# KiCad board GoldCard.kicad_pcb (continued)
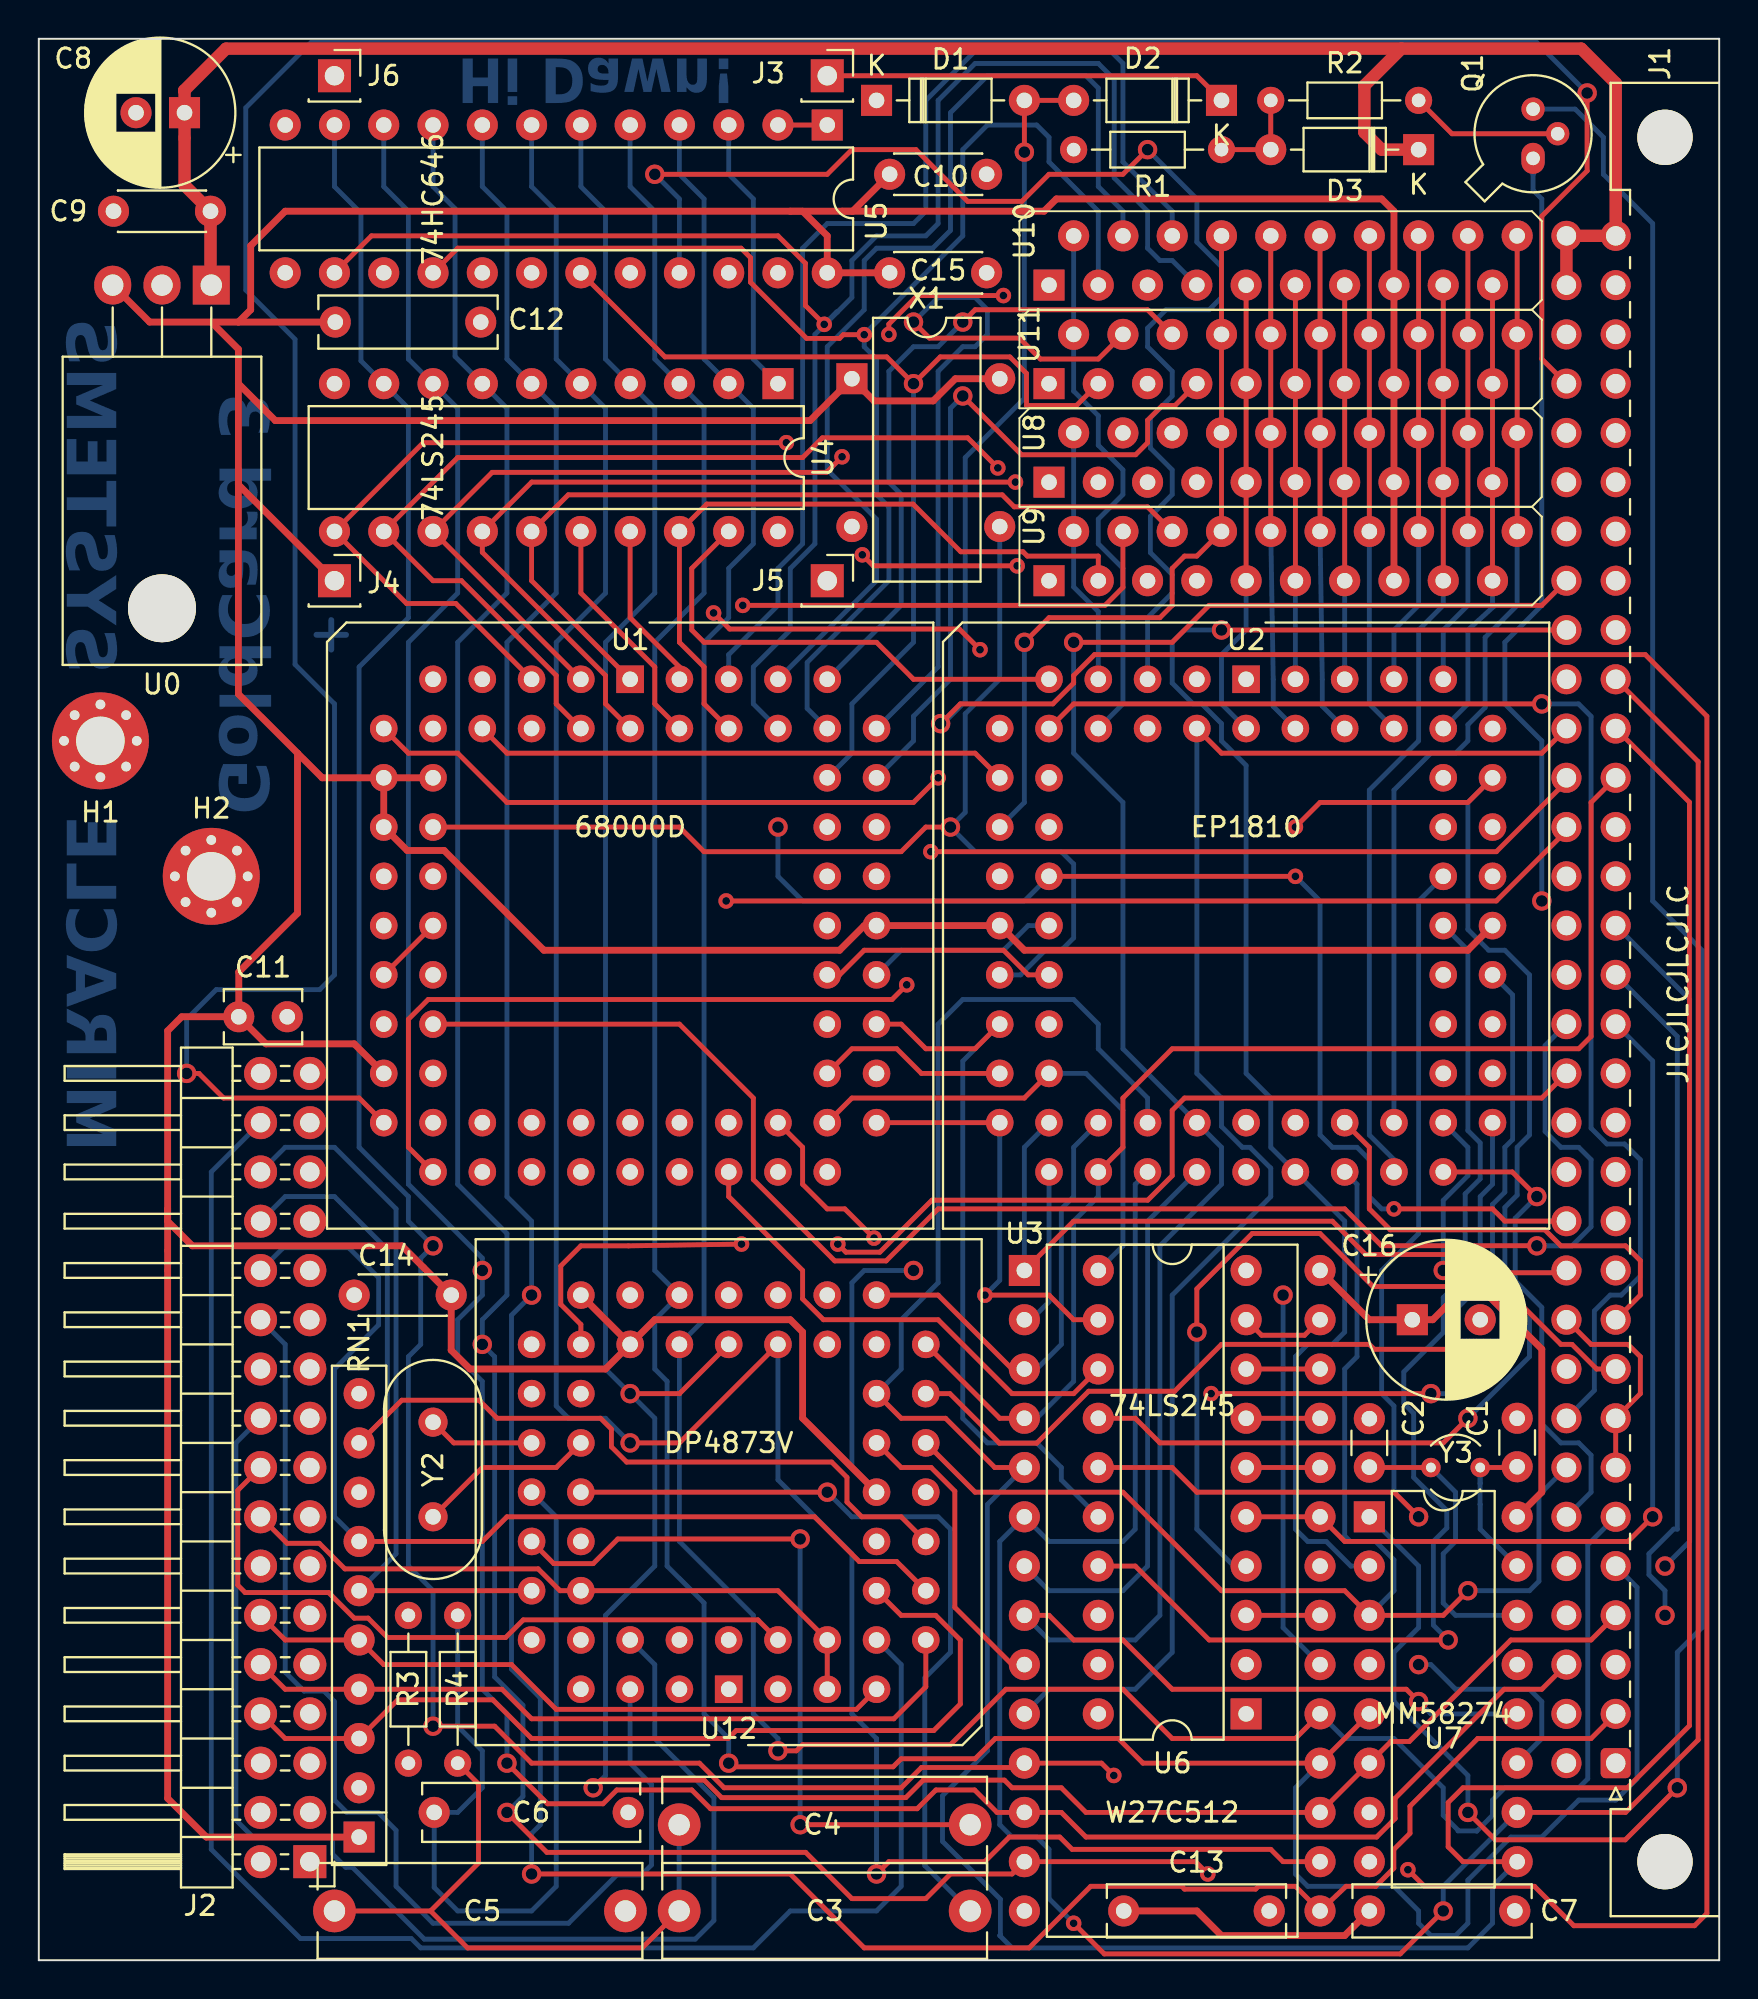
[diagram p0: board, top side]
## Routing (per net, layer and track width the routed paths; a pad name or vN(x,y) marks a point on that pad's centre or on a via; arc(x,y) is an arc through that point)
+5V: length 521.1
  Top w0.25: 72.44,33.61 71.85,33.02
  Top w0.35: 10.29,81.28 10.29,83.06 8.89,84.46 ; 10.29,81.28 10.29,76.84 ; 10.29,81.28 12.19,79.38 39.75,79.38 X1.1 43.05,80.39 46.1,80.39 47.24,81.53 X1.8 ; 10.29,84.46 8.89,84.46 ; 10.29,84.46 C12.1 ; 10.29,84.46 10.92,85.09 10.92,88.39 12.7,90.17 38.74,90.17 ; 8.89,84.46 5.72,84.46 U0.3 ; 38.74,90.17 41.4,90.17 ; 38.74,90.17 39.37,90.17 40.64,88.9 U5.24 C15.1 ; U12.33 U12.32 ; U12.32 29.21,30.48 22.22,30.48 21.26,31.45 C14.1 18.72,36.83 7.91,36.83 6.64,38.1 6.64,38.74 ; U12.32 31.75,33.02 38.74,33.02 39.37,32.39 39.37,27.94 U12.15 ; C7.1 67.31,1.27 60.96,1.27 59.69,2.54 C13.1 ; U7.16 77.47,24.13 77.47,31.51 74.78,34.2 73.03,34.2 ; 73.03,34.2 72.44,33.61 ; 73.03,34.2 71.85,33.02 C16.1 68.58,33.02 U3.28 ; U1.24 16.26,47.24 11.7,47.24 C11.1 ; U9.15 U8.15 U11.15 U10.15 69.85,90.17 69.22,90.81 52.45,90.81 51.82,90.17 41.4,90.17 ; U1.13 U1.12 ; U1.12 14.6,60.96 13.34,62.23 ; U1.12 U1.14 18.99,57.21 20.89,57.21 26.03,52.07 41.28,52.07 42.54,53.34 U1.52 U2.18 50.8,52.07 73.66,52.07 U2.52 ; 13.34,62.23 13.34,53.98 10.31,50.95 C11.1 ; 13.34,62.23 10.29,65.28 10.29,76.84 ; 6.64,38.74 6.64,8.34 8.64,6.35 RN1.1 ; 6.64,38.74 6.64,47.92 7.37,48.64 C11.1 ; 41.4,90.17 41.95,90.17 C10.1 ; 10.29,76.84 10.29,76.07 J4.1
  In1.Cu w0.25: X1.1 41.91,79.13 38.1,75.32 U4.20 ; 56.52,24.13 62.87,24.13 64.13,25.4 64.13,30.99 64.89,31.75 67.94,31.75 69.22,33.02 C16.1 ; 56.52,24.13 57.78,25.4 57.78,27.83 56.4,29.21 49.82,29.21 47.13,31.89 47.13,33.51 v1(45.09,35.56) ; 56.52,24.13 49.53,24.13 49.1,23.7 49.1,14.61 49.74,13.97 53.34,13.97 U6.20 54.61,6.35 55.92,5.04 C13.1
  Bottom w0.25: U12.15 41.91,25.4 41.91,34.93 42.54,35.56 v1(45.09,35.56)
+9V: length 108.5
  Top w0.25: 7.51,93.94 7.51,93.94 C8.1
  Top w0.635: J1.b31 J1.b32 J1.a32 81.28,96.77 79.5,98.55 70.23,98.55 ; 70.23,98.55 68.33,96.65 68.33,94.23 69.22,93.34 D3.1 ; 70.23,98.55 9.65,98.55 7.49,96.39 7.51,96.37 7.51,91.51 C9.1 8.85,86.4
GND: length 36.3
  In2.Cu w0.25: 63.5,46.36 63.5,41.91 U2.35 60.96,41.91 60.96,46.36 ; R1.1 57.15,89.54 U10.5 U11.5 U8.5 U9.5
/16MHZ: length 59.8
  Top w0.25: U1.15 33.02,58.42 34.29,57.15 44.45,57.15 45.72,58.42 v1(46.99,58.42)
  Bottom w0.25: X1.5 49.53,66.04 47.75,64.26 47.75,59.18 v1(46.99,58.42) 48.26,57.15 52.71,57.15 53.34,56.52 53.34,52.71 52.71,52.07 51.88,52.07 50.6,50.8 U2.20
/A0: length 80.6
  Top w0.25: U2.4 60.96,62.23 77.47,62.23 J1.b22
  Bottom w0.25: U3.10 52.07,13.97 56.52,13.97 58.42,15.88 58.42,34.29 63.5,39.37 63.5,40.84 62.43,41.91 62.03,41.91 60.96,42.98 60.96,44.45 59.69,45.72 U2.4
/A1: length 119.4
  Top w0.25: U12.17 44.45,25.4 46,25.4 47.22,24.18 47.22,18.19 50.8,14.61 ; v1(60.96,68.58) J1.b24
  In1.Cu w0.25: U7.2 67.31,21.59 50.16,21.59 49.62,21.05 49.62,15.78 50.8,14.61
  Bottom w0.25: U7.2 67.63,20.32 66.36,21.59 65.41,21.59 64.77,22.23 64.77,31.12 65.41,31.75 66.68,31.75 67.31,32.39 67.31,38.1 U2.37 63.5,41.91 63.5,44.45 62.23,45.72 62.23,61.6 60.96,62.87 60.96,63.75 59.94,64.77 59.5,64.77 58.42,65.84 58.42,67.95 59.06,68.58 v1(60.96,68.58)
/A2: length 116.9
  Top w0.25: J1.b25 77.47,69.85 60.32,69.85 58.42,67.95 v1(53.34,67.95) ; v1(71.12,13.34) 70.49,13.97 58.42,13.97 55.88,16.51 53.34,16.51 52.07,17.78 U3.8
  Bottom w0.25: U7.12 71.75,12.7 v1(71.12,13.34) ; U3.8 52.07,16.51 56.52,16.51 57.78,17.78 57.78,36.83 60.96,40.01 60.96,41.91 U2.34 55.88,46.99 55.88,59.69 53.34,62.23 v1(53.34,67.95)
/A3: length 131.8
  In1.Cu w0.25: J1.a24 85.09,64.77 85.09,11.43 81.91,8.25 78.1,8.25 U7.11 ; v1(71.12,15.24) 69.85,16.51 58.97,16.51 56.43,19.05 53.34,19.05 52.07,20.32 U3.7
  Bottom w0.25: v1(71.12,15.24) 71.75,15.24 73.03,13.97 76.84,13.97 77.47,13.34 77.47,11.43 U7.11 ; U2.33 57.15,38.1 57.15,20.32 55.88,19.05 52.07,19.05 U3.7
/A4: length 143.6
  Top w0.25: v1(72.39,2.54) 70.17,0.32 54.92,0.32 v2(53.34,1.91) ; U7.10 81.79,7.62 85.53,11.36 85.53,61.79 J1.a23
  Bottom w0.25: U2.31 56.52,40.01 56.52,22.23 55.88,21.59 52.07,21.59 U3.6 49.53,21.59 49.53,6.99 50.16,6.35 51.44,6.35 52.07,5.72 52.07,3.18 v2(53.34,1.91) ; v1(72.39,2.54) 72.39,3.81 U7.10
/A5: length 175.2
  Top w0.25: U7.9 73.41,5.08 72.64,5.84 72.64,8.13 73.41,8.89 81.88,8.89 85.08,12.09 85.08,59.7 J1.a22 ; U3.5 49.28,25.4 46.74,27.94 44.45,27.94 U12.19
  Bottom w0.25: U12.19 44.45,30.48 44.45,33.02 46.35,34.93 46.35,48.26 47.62,49.53 53.34,49.53 54.61,48.26 54.61,46.99 57.15,44.45 U2.32 ; U3.5 48.9,23.5 48.9,10.8 46.58,8.48 46.58,6.12 49.56,3.14 49.56,1.31 49.53,1.27 50.16,0.64 73.66,0.64 74.93,1.91 74.93,3.81 U7.9
/A6: length 65.2
  Top w0.25: U2.29 55.88,41.91 55.88,44.45 58.42,46.99 79.38,46.99 80.01,47.63 80.01,59.69 J1.a21 ; U12.20 49.53,27.94 U3.4
  Bottom w0.25: U2.29 54.61,39.37 53.34,38.1 53.34,29.85 50.8,27.31
/A7: length 80.5
  Top w0.25: U12.21 46.35,34.29 50.16,30.48
  In1.Cu w0.25: J1.a20 80.01,57.15 80.01,50.17 79.38,49.53 78.1,49.53 76.84,48.26 76.84,41.91 72.48,37.55 49.62,37.55 48.03,35.96 48.03,33.25 U3.3
  Bottom w0.25: 50.8,29.85 52.71,31.75 52.71,38.74 53.34,39.37 53.34,41.91 U2.30
/A8: length 51.3
  Top w0.25: U6.7 U3.25
  In1.Cu w0.25: J1.a19 83.82,53.34 83.82,28.58 81.91,26.67 67.31,26.67 U3.25
/A9: length 58.8
  Top w0.25: U6.6 U3.24
  In1.Cu w0.25: v1(83.82,20.32) 82.55,21.59 74.94,21.59 72.39,24.14 67.3,24.14 U3.24
  Bottom w0.25: v1(83.82,20.32) 85.09,21.59 85.09,49.53 J1.a18
/A10: length 59.4
  Top w0.25: U6.3 U3.21
  In1.Cu w0.25: 66.04,17.15 68.02,19.12 69.29,19.12 70.49,20.32 74.29,20.32 75.56,19.05 82.55,19.05 v1(83.82,17.78)
  Bottom w0.25: v1(83.82,17.78) 83.82,19.05 83,19.88 83,20.96 84.27,22.23 84.46,22.23 84.46,47.63 J1.a17
/A11: length 48.2
  Top w0.25: U6.5 U3.23 67.31,21.59 81.91,21.59 v1(83.19,22.86)
  Bottom w0.25: J1.a16 83.19,46.36 v1(83.19,22.86)
/A12: length 45.7
  In1.Cu w0.25: U3.2 52.07,34.29 56.59,34.29 59.13,36.83 73.03,36.83 77.47,41.28 77.47,43.79 78.1,44.42 79.98,44.42 J1.a15
  Bottom w0.25: 50.8,32.68 52.07,33.95 U2.27
/A13: length 33.2
  Top w0.25: U6.8 U3.26
  In1.Cu w0.25: 66.13,30.57 75.56,30.57 76.75,31.75 82.55,31.75 83.19,32.39 83.19,41.28 J1.a14
/A14: length 25.5
  Top w0.25: U3.27 65.24,32.22 63.03,32.22 U6.9
  In1.Cu w0.25: U3.27 68.11,33.02 69.38,34.29 79.38,34.29 80.01,34.93 80.01,39.37 J1.a13
/A15: length 38.8
  Top w0.25: 78.62,35.44 73.97,35.44 73.03,36.39 68.39,36.39 66.68,38.1 53.34,38.1 U3.1
  Bottom w0.25: 50.8,34.93 50.8,41.91 U2.28
/A16: length 23.6
  Top w0.25: U2.40 68.58,41.91 68.58,38.74 69.66,37.66 77.63,37.66 78.45,36.83 81.79,36.83 82.55,36.07 82.55,34.29 J1.a10
/A17: length 41.6
  Top w0.25: v1(59.69,32.39) 59.69,34.61 62.54,37.47 66.04,37.47 68.77,34.74 75.47,34.74 78.45,31.75 79.03,31.75 80.3,30.48 J1.a9
  Bottom w0.25: v1(59.69,32.39) 59.69,22.23 62.23,19.69
/A18: length 10.8
  Top w0.25: J1.a7 J1.a8 82.55,29.21 82.55,31.12 81.91,31.75 80.01,31.75 J1.b10
/AG1: length 42
  In1.Cu w0.25: U1.32 26.67,41.91 30.68,41.91 31.75,40.84 31.75,40.34 33.44,38.65 42.17,38.65 42.65,39.14 60.09,39.14 60.96,40.01 60.96,41.91 U2.36
/AG2: length 55.5
  In1.Cu w0.25: U2.48 73.66,46.99 70.49,46.99 68.58,45.09 68.58,40.01 66.81,38.23 43.03,38.23 42.54,37.75 30.83,37.75 U1.33
/AG3: length 30.4
  In1.Cu w0.25: U1.34 39.37,54.61 45.53,54.61 48.07,57.15 50.8,57.15 U2.15
/AG4: length 50.4
  In1.Cu w0.25: U2.49 68.58,48.26 66.04,45.72 66.04,40.01 64.72,38.68 42.84,38.68 42.36,38.2 32.92,38.2 U1.35
/AG5: length 24.3
  In1.Cu w0.25: U2.16 48.01,55.88 44.2,52.07 39.37,52.07 U1.36
/AG6: length 47.1
  In1.Cu w0.25: U1.37 34.55,39.11 41.98,39.11 42.46,39.59 58,39.59 58.42,40.01 58.42,43.82 65.41,50.8 U2.51
/AG7: length 46.7
  In1.Cu w0.25: 72.39,60.96 61.37,60.96 52.71,52.3 47.97,52.3 45.2,49.53 39.37,49.53 U1.38
/AG8: length 68.6
  Top w0.25: U6.13 53.34,29.21 50.16,29.21 46.35,33.02 40.44,33.02 39.37,34.09 39.37,35.56 35.56,39.37 U1.39 ; v2(60.43,29.21) v1(71.75,29.21)
  In1.Cu w0.25: U6.13 59.16,30.48 v2(60.43,29.21)
  Bottom w0.25: v1(71.75,29.21) 73.03,29.21 75.56,31.75 75.56,33.34 74.93,33.98 74.93,38.96 75.56,39.6 75.56,41.91 75.97,42.31 75.97,49.76 U2.50
/AG9: length 104.6
  Top w0.25: v2(64.77,58.42) 66.04,59.69 73.66,59.69 U2.58 ; U6.14 56.52,27.94 57.78,26.67 72.39,26.67 v1(73.66,27.94)
  In1.Cu w0.25: v2(64.77,58.42) 53.34,46.99 46.34,46.99 43.8,44.45 36.83,44.45 U1.40
  Bottom w0.25: v1(73.66,27.94) 76.83,31.11 76.83,33.02 75.56,34.29 75.56,34.29 75.56,38.81 76.2,39.44 76.2,41.91 76.84,42.54 76.84,50.8 75.56,52.07 74.74,52.07 73.66,53.14 73.66,59.69 U2.58
/AG10: length 101.6
  Top w0.25: v1(72.64,16.51) 60.32,16.51 56.52,20.32 U6.17
  In1.Cu w0.25: U2.53 62.87,53.34 53.34,43.82 53.34,42.55 52.71,41.91 51.44,41.91 49.71,40.19 42.2,40.19 41.57,39.56 39.18,39.56 U1.41
  Bottom w0.25: U2.53 73.66,52.07 73.66,42.77 74.29,42.14 74.29,40.28 73.52,39.51 73.52,35.29 72.39,34.16 72.39,32.37 70.36,30.33 70.36,28.7 70.87,28.19 70.87,24.89 72.57,23.18 72.57,22.28 71.88,21.59 71.88,17.27 v1(72.64,16.51)
/AG11: length 81.6
  Top w0.25: U6.15 58.42,25.4 59.69,24.13 69.85,24.13 v1(71.12,22.86) ; v2(43.05,37.23) 41.55,38.74 40.64,38.74 39.37,40.01 39.37,41.91 U1.42
  In1.Cu w0.25: v2(43.05,37.23) 43.05,36.21 44.45,34.81 44.45,31.12 45.09,30.48 46.99,30.48 48.26,29.21 48.26,27.31 48.9,26.67 53.34,26.67 U6.15
  Bottom w0.25: v1(71.12,22.86) 69.85,24.13 69.85,28.58 69.22,29.21 69.22,35.56 71.12,37.47 71.12,54.61 U2.55
/AG12: length 40.6
  In1.Cu w0.25: U2.54 73.66,54.61 62.43,54.61 52.27,44.45 46.79,44.45 42.98,40.64 40.64,40.64
/AG13: length 21.9
  Top w0.25: U6.12 53.34,33.02 52.07,34.29 v2(48.77,34.29) ; U1.44 U2.26
  Bottom w0.25: U2.26 49.53,35.05 v2(48.77,34.29)
/AG14: length 25.9
  Top w0.25: U1.45 41.91,44.45 50.8,44.45 U2.25
  Bottom w0.25: U2.25 53.97,45.72 55.88,43.82 55.88,36.83 U6.11
/AG15: length 39.1
  In1.Cu w0.25: U2.56 73.66,57.15 70.49,57.15 67.94,59.69 63.52,59.69 53.34,49.51 46.97,49.51 U1.46
/AG16: length 9.9
  Top w0.25: U1.47 41.91,46.99 44.22,46.99 45.49,45.72 U2.24
/AG17: length 38
  Top w0.25: U1.48 44.45,48.26 45.72,46.99 48.26,46.99 U2.22
  Bottom w0.25: U2.22 47.62,46.36 47.62,27.94 48.9,26.67 51.44,26.67 52.71,25.4 52.71,24.77 U6.16
/AG18: length 38.6
  In1.Cu w0.25: U1.49 41.91,46.99 43.52,46.99 48.38,51.84 53.34,51.84 61.82,60.33 69.22,60.33 71.12,58.42 U2.57
/AG19: length 9.9
  Bottom w0.25: U1.50 44.45,52.07 49.72,52.07 51,53.34 U2.19
/AG20: length 12.5
  Top w0.25: U1.51 41.28,50.8 42.54,52.07 49.73,52.07 51,50.8 U2.21
/CAS0: length 13.2
  Bottom w0.25: U2.7 54.61,69.53 53.34,70.8 U9.2 U8.2
/CAS1: length 28
  Bottom w0.25: U10.2 U11.2 53.34,80.9 54.61,79.63 54.61,78.11 55.88,76.84 55.88,75.57 54.61,74.3 54.61,73.03 55.88,71.76 55.88,64.77 U2.8
/CSROM: length 37.3
  In1.Cu w0.25: v1(72.39,35.56) 69.93,35.56 68.66,34.29 v1(64.13,34.29)
  Bottom w0.25: v1(72.39,35.56) 72.39,39.18 73.66,40.45 73.66,41.91 U2.45 ; v1(64.13,34.29) 64.13,17.15 U3.20
/CSRTC: length 62.4
  In1.Cu w0.25: U2.38 64.77,46.36 67.94,49.53 76.2,49.53 77.47,50.8 v1(77.47,54.61)
  Bottom w0.25: 77.02,92.08 77.02,91.26 77.47,90.81 77.47,69.85 75.56,67.95 75.56,64.77 77.47,62.87 v1(77.47,54.61) ; 77.02,92.08 Q1.1 77.02,92.08
/D0: length 177.3
  Top w0.25: v2(55.41,9.53) 54.77,10.16 U3.11 ; 50.58,9.94 45.5,9.94 44.45,8.89 35.32,8.89 34.05,10.16 25.4,10.16 23.5,12.06 v1(20.32,12.06)
  In1.Cu w0.25: J1.b4 77.47,16.51 75.88,16.51 70.8,11.43 57.31,11.43 v2(55.41,9.53) ; U12.22 41.91,33.02 41.91,34.5 40.21,36.2 24.77,36.2 24.13,36.83 v1(20.32,36.83)
  Bottom w0.25: U5.11 15.24,91.44 16.6,90.08 16.6,82.46 U4.9 19.05,80.01 19.05,69.22 16.51,66.68 16.51,41.91 19.05,39.37 19.05,38.1 v1(20.32,36.83) 19.69,36.2 19.69,31.75 19.05,31.12 19.05,20.32 20.32,19.05 v1(20.32,12.06)
/D1: length 173
  Top w0.25: J1.b3 77.47,13.97 75.53,13.97 69.91,8.35 69.91,7.3 68.96,6.35 53.97,6.35 52.71,7.62 U3.12 49.39,7.62 48.23,8.78 46.24,8.78 45.28,7.81 34.62,7.81 33.66,8.78 29.79,8.78 29.08,8.06 26.22,8.06 v1(24.13,10.16)
  In1.Cu w0.25: v1(22.86,35.56) 22.86,34.29 24.13,33.02 40.64,33.02 U12.23
  Bottom w0.25: U5.10 17.78,91.44 19.05,90.17 19.05,82.55 U4.8 21.59,80.01 21.59,70.49 19.05,67.95 19.05,40.01 22.86,36.2 v1(22.86,35.56) 22.86,34.29 21.59,33.02 21.59,31.12 22.86,29.85 22.86,13.97 24.13,12.7 v1(24.13,10.16)
/D2: length 174.7
  Top w0.25: v2(60.26,4.45) 59.62,5.08 U3.13 50.16,4.45 46.99,4.45 45.72,3.18 41.91,3.18 39.53,5.56 26.19,5.56 v1(24.13,7.62)
  In1.Cu w0.25: v1(22.86,31.75) 23.9,30.71 39.6,30.71 U12.24 ; v2(60.26,4.45) 60.89,3.81 71.12,3.81 72.39,5.08 72.39,8.89 74.93,11.43 77.47,11.43 J1.b2
  Bottom w0.25: U5.9 20.32,91.44 21.46,90.31 21.46,82.69 U4.7 24.13,80.01 24.13,70.49 21.59,67.95 21.59,40.01 24.13,37.47 24.13,34.29 22.86,33.02 v1(22.86,31.75) 23.5,31.12 23.5,14.61 24.96,13.15 24.96,8.45 v1(24.13,7.62)
/D3: length 173.1
  Top w0.25: J1.a2 80.01,11.43 74.17,11.43 70.68,7.94 70.68,6.54 69.84,5.71 69.84,4.74 68.91,3.81 67.38,3.81 U3.15 64.77,3.81 62.87,3.81 62.72,3.67 59.06,3.67 58.91,3.81 54.22,3.81 51.04,0.64 42.54,0.64 38.74,4.45 v1(25.4,4.45)
  In1.Cu w0.25: U12.25 37.04,35.35 26.46,35.35 v1(25.4,34.29)
  Bottom w0.25: v1(25.4,4.45) 25.4,6.53 25.85,6.99 25.85,13.52 24.36,15.01 24.36,33.25 v1(25.4,34.29) 25.4,38.1 24.13,39.37 24.13,67.95 26.67,70.49 26.67,80.01 U4.6 24.13,82.55 24.13,90.17 22.86,91.44 U5.8
/D4: length 156
  Top w0.25: U3.16 64.13,5.08 63.5,5.72 53.26,5.72 52.63,6.35 50.02,6.35 48.75,5.08 43.81,5.08 v1(43.18,4.45) ; v1(30.48,26.67) 33.02,26.67 U12.26
  In1.Cu w0.25: U3.16 U7.7 74.93,13.97 80.01,13.97 J1.a3
  Bottom w0.25: U12.26 38.1,24.77 41.91,20.96 41.91,12.7 43.18,11.43 v1(43.18,4.45) ; U5.7 25.4,91.44 26.67,90.17 26.67,82.55 U4.5 29.21,80.01 29.21,70.49 26.67,67.95 26.67,28.58 27.31,27.94 29.21,27.94 v1(30.48,26.67)
/D5: length 155.4
  Top w0.25: U12.28 33.02,29.21 v1(30.48,29.21) ; v1(28.57,8.89) 28.97,9.29 34.29,9.29 35.19,8.38 44.69,8.38 45.59,9.29 49.77,9.29 50.16,8.89 52.71,8.89 53.97,7.62 U3.17 U7.6 69.69,11.27 70.64,11.27 75.88,16.51 80.01,16.51 J1.a4
  Bottom w0.25: U5.6 27.94,91.44 29.21,90.17 29.21,82.55 U4.4 31.75,80.01 31.75,70.49 29.21,67.95 29.21,30.48 v1(30.48,29.21) 31.75,27.94 31.75,20.32 29.21,17.78 29.21,9.53 v1(28.57,8.89)
/D6: length 166.6
  Top w0.25: v1(35.56,10.16) 35.75,9.97 44.03,9.97 44.45,10.39 48.26,10.39 49.3,11.43 55.64,11.43 56.91,10.16 U3.18 U7.5
  Bottom w0.25: v1(35.56,10.16) 35.56,11.43 34.29,12.7 34.29,18.42 32.38,20.32 32.38,29.85 31.75,30.48 31.75,33.02 U12.29 31.75,35.56 31.75,67.95 34.29,70.49 34.29,80.01 U4.3 31.75,82.55 31.75,90.17 30.48,91.44 U5.5 ; J1.a5 82.38,19.22 82.38,9.36 81.28,8.25 79.38,8.25 77.47,6.35 75.88,6.35 73.66,4.13 73.66,1.91 73.03,1.27 71.75,1.27 71.12,1.91 71.12,2.54 69.85,3.81 65.41,3.81 64.77,4.45 64.77,8.89 U3.18
/D7: length 156.3
  Top w0.25: U3.19 64.77,11.43 58.42,11.43 55.88,13.97 49.85,13.97 46.99,11.11 39.37,11.11 39.05,10.8 v1(38.1,10.8)
  In1.Cu w0.25: U7.4 U3.19
  Bottom w0.25: v1(38.1,10.8) 38.1,11.43 36.83,12.7 36.83,17.78 33.02,21.59 U12.30 34.29,33.02 34.29,67.95 35.56,69.22 35.56,71.76 36.83,73.03 36.83,80.01 U4.2 34.29,82.55 34.29,90.81 33.02,92.08 U5.4 ; J1.a6 79.84,21.42 79.84,9.36 79.38,8.89 75.56,8.89 74.93,8.25 74.93,7.47 74.12,6.66 74.1,6.67 73.15,6.67 73.15,6.71 72.39,7.47 72.39,8.89 69.85,11.43 67.31,11.43 U3.19
/DG0: length 66.7
  Top w0.25: v2(38.53,78.24) 19.82,78.24 U4.11 18.95,69.95 21.49,69.95 U1.5 ; v2(43.81,83.82) 43.81,84.35 45.29,85.82 v2(49.72,85.82)
  In1.Cu w0.25: v2(38.53,78.24) 40.46,80.17 40.46,82.22 40.92,82.68 42.67,82.68 v2(43.81,83.82) ; v2(49.72,85.82) 53.22,82.33 53.22,81.07 54.28,80.01 57.15,80.01 U8.6
/DG1: length 56.7
  Top w0.25: U1.4 26.67,64.77 26.67,66.24 21.79,71.12 20.32,71.12 U4.12 21.59,77.47 39.37,77.47 40.39,78.49 47.88,78.49 v2(49.43,76.94)
  In1.Cu w0.25: U8.4 54.47,77.33 49.82,77.33 v2(49.43,76.94)
/DG2: length 58.8
  Top w0.25: v2(42.45,72.45) 43.01,71.89 v2(50.43,71.89) ; U1.3 U4.13 23.37,76.71 40.6,76.71 v2(41.4,77.51)
  In1.Cu w0.25: v2(42.45,72.45) 43.09,73.1 43.09,75.82 v2(41.4,77.51) ; 59.29,76.2 57.15,74.06 57.15,73.3 56.1,72.25 50.79,72.25 v2(50.43,71.89)
/DG3: length 47.3
  Top w0.25: U1.2 29.21,64.77 29.21,66.24 22.86,72.59 U4.14 25.41,76.21 v2(50.34,76.21)
  In1.Cu w0.25: U8.3 53.48,75.07 51.05,75.07 50.34,75.78 v2(50.34,76.21)
/DG4: length 44.3
  Top w0.25: U9.6 57.15,74.93 50.28,74.93 49.66,75.55 27.29,75.55 U4.15 25.4,71.12 U1.1
/DG5: length 45.7
  Top w0.25: U4.16 27.94,70.49 31.75,66.68 31.75,64.77 U1.68 ; U9.4 55.88,70.78 54.96,69.85 36.19,69.85
  In1.Cu w0.25: U4.16 27.94,72.65 29.47,71.12 35.02,71.12 v2(36.28,69.85)
/DG6: length 40
  Top w0.25: U1.67 33.02,66.68 30.48,69.22 U4.17 ; v2(48.51,67.56) 47.45,68.63 35.61,68.63 v2(34.78,69.46)
  In1.Cu w0.25: v2(48.51,67.56) 50.35,69.41 57.97,69.41 U9.7 ; U1.67 33.02,67.7 v2(34.78,69.46)
/DG7: length 35.8
  Top w0.25: U9.3 54.61,72.39 50.95,72.39 50.73,72.61 47.52,72.61 45.06,75.07 34.43,75.07 U4.18 33.02,67.95 34.29,66.68 34.29,64.77 U1.66
/DG8: length 98
  In1.Cu w0.25: U1.65 37.15,67.63 37.15,70.17 35.56,71.76 33.02,71.76 31.75,73.03 31.75,74.3 30.83,75.22 19.4,75.22 12.7,81.92 U5.13
  Bottom w0.25: U1.65 35.56,67.31 38.1,69.85 38.1,71.76 39.37,73.03 39.37,88.27 40.64,89.54 45.09,89.54 45.72,90.17 45.72,95.89 48.26,98.43 55.25,98.43 55.88,97.79 55.88,92.71 56.63,91.96 58.42,90.17 U10.6
/DG9: length 91.4
  Top w0.25: U5.14 17.15,88.9 38.1,88.9 39.52,87.49 39.52,85.31 v2(40.48,84.34)
  Bottom w0.25: v2(40.48,84.34) 41.12,84.98 41.16,84.98 ; U10.7 58.42,87.63 57.78,87.63 57.15,88.27 57.15,90.17 55.43,91.89 55.43,96.97 54.61,97.79 48.26,97.79 46.35,95.88 46.35,89.54 45.72,88.9 43.18,88.9 41.91,87.63 41.91,85.73 41.16,84.98 ; 41.16,84.98 40,83.82 40,73.02 38.74,71.75 38.74,68.58 36.83,66.68 36.83,64.77 U1.64
/DG10: length 89.6
  In1.Cu w0.25: U5.15 19.05,85.73 19.05,80.01 22.86,76.2 33.02,76.2 34.29,74.93 34.29,73.03 34.93,72.39 36.19,72.39 38.1,70.49 U1.63
  Bottom w0.25: U10.4 55.88,90.17 54.61,91.44 54.61,96.52 53.97,97.16 48.9,97.16 46.99,95.25 46.99,89.18 46.08,88.27 43.18,88.27 42.54,87.63 42.54,85.09 40.64,83.19 40.64,76.84 43.18,74.3 43.18,71.12 U1.63
/DG11: length 74.1
  Top w0.25: U5.16 21.59,88.27 36.19,88.27 36.69,87.78 36.69,86.51 39.58,83.61 41.28,83.61 41.47,83.8 v2(42.54,83.8)
  Bottom w0.25: U10.3 54.61,90.17 52.07,92.71 52.07,93.98 51.44,94.62 48.9,94.62 47.62,93.34 47.62,88.9 42.54,83.82 v2(42.54,83.8) 42.54,83.19 43.18,82.55 43.18,75.57 43.81,74.93 43.81,71.12 39.6,66.91 39.6,64.54 U1.62
/DG12: length 69.5
  Top w0.25: v1(47.62,84.46) 48.26,85.09 57.15,85.09 U11.6
  In1.Cu w0.25: U1.61 39.37,67.31 39.37,70.49 36.83,73.03 36.83,74.93 34.29,77.47 24.13,77.47 21.59,80.01 21.59,85.73 U5.17
  Bottom w0.25: U1.61 44.45,69.85 44.45,75.57 43.81,76.2 43.81,81.92 45.09,83.19 46.35,83.19 v1(47.62,84.46)
/DG13: length 61.8
  Top w0.25: v1(45.09,84.46) 45.91,83.63 50.55,83.63 51.63,82.55 54.61,82.55 U11.4
  In1.Cu w0.25: v1(45.09,84.46) 44.47,85.07 27.33,85.07 U5.18
  Bottom w0.25: U1.60 46.35,66.68 46.35,81.92 47.62,83.19 48.26,83.19 48.9,83.82 48.9,85.09 48.26,85.73 46.35,85.73 v1(45.09,84.46)
/DG14: length 54.2
  Top w0.25: U5.19 32.28,82.66 43.71,82.66 v1(45.09,81.28) 46.46,82.66 50.06,82.66 50.91,81.81 50.91,80.16 53.49,80.16 U11.3
  Bottom w0.25: U1.59 41.91,62.23 41.91,64.77 45.09,67.95 v1(45.09,81.28)
/DG15: length 58.2
  Top w0.25: v1(47.62,80.65) 50.66,77.62 56.53,77.62 57.15,78.23 57.15,79.39 57.91,80.16 58.56,80.16 U11.7
  In1.Cu w0.25: v1(47.62,80.65) 46.3,81.97 46.3,84.4 45.19,85.52 31.96,85.52 U5.20
  Bottom w0.25: v1(47.62,80.65) 46.99,80.01 46.99,66.04 45.09,64.14 45.09,62.87 U1.58
/DS: length 25
  Top w0.25: U2.43 75.95,40.64 v1(77.22,39.37)
  Bottom w0.25: J1.b6 80.01,24.13 80.01,26.04 79.38,26.67 78.45,26.67 77.47,27.65 77.47,33.66 76.1,35.03 76.1,38.25 v1(77.22,39.37)
/DS0: length 38.5
  Top w0.25: J2.10 12.7,13.97 RN1.4 23.88,13.97 25.4,12.45 44.07,12.45 45.72,14.1 U12.8
/DS1: length 34.2
  Top w0.25: U12.7 42.14,12.93 26.67,12.93 24.36,15.24 17.78,15.24 RN1.5 12.7,16.51 J2.12
/DS2: length 44.2
  In1.Cu w0.25: U12.1 33.98,12.39 22.54,12.39 17.29,17.64 16.02,17.64 14.7,18.96 12.79,18.96 J2.14 9.53,22.23 9.53,28.32 10.41,29.21 RN1.10
/DTA: length 47.2
  Top w0.25: U1.10 19.05,62.23 21.59,62.23 24.13,59.69 45.09,59.69 v2(46.35,60.96)
  In1.Cu w0.25: v2(46.35,60.96) 47.62,60.96 48.9,62.23 57.78,62.23 58.42,62.87 58.42,64.77 U2.3
/DTACK: length 68.4
  Top w0.25: U2.11 53.34,64.77 v1(77.47,64.77)
  Bottom w0.25: J1.b8 80.18,29.38 80.18,33.48 80.99,34.29 81.57,34.29 82.55,35.27 82.55,41.27 81.74,42.08 80.82,42.08 80.01,42.89 80.01,64.13 79.37,64.77 v1(77.47,64.77)
/FC0: length 63.2
  Top w0.25: 78.74,60.76 75.13,57.15 v2(45.98,57.15)
  In1.Cu w0.25: v2(45.98,57.15) 36.83,57.15 U1.30
/FC1: length 64
  Top w0.25: v2(35.43,54.61) 75.13,54.61 78.74,58.22
  In1.Cu w0.25: U1.29 24.13,41.91 24.13,43.39 v2(35.43,54.61)
/FDC_DIR: length 36.3
  Top w0.25: J2.18 10.25,24.23 10.25,19.34 10.64,18.96 14.94,18.96 16.26,17.64 16.98,17.64 17.97,16.64 24.06,16.64 24.97,17.55 37.06,17.55 U12.4
/FDC_HD: length 90.7
  Bottom w0.25: J2.32 8.89,40.64 8.89,5.72 13.49,1.12 19.2,1.12 19.68,0.64 36.83,0.64 38.74,2.54 43.18,2.54 44.45,3.81 44.45,15.24 U12.9
/FDC_IP: length 47.7
  Top w0.25: J2.8 12.7,11.43 RN1.3 18.5,13.43 23.41,13.43 25.4,11.43 35.53,11.43 35.94,11.84 46.13,11.84 47.5,13.21 47.5,16.51 46.23,17.78 44.45,17.78 U12.11
/FDC_RD: length 38.2
  Top w0.25: RN1.6 U12.44
  Bottom w0.25: RN1.6 18.41,20.96 18.41,38.74 15.24,41.91 12.7,41.91 J2.30
/FDC_STEP: length 65.5
  Bottom w0.25: J2.20 10.16,26.67 10.16,7.23 11.04,6.35 15.05,6.35 15.15,6.25 15.15,5.47 15.82,4.79 16.17,4.79 19.87,1.09 33.83,1.09 34.8,2.05 34.8,8.38 31.75,11.43 31.75,15.24 U12.50
/FDC_T0: length 53.6
  Top w0.25: RN1.7 22.86,21.59 24.13,22.86 39.98,22.86 42.29,20.55 44.22,20.55 U12.10
  Bottom w0.25: RN1.7 15.24,22.86 15.24,30.48 17.52,32.76 17.52,35.19 15.97,36.74 12.6,36.74 J2.26
/FDC_WD: length 41.2
  In1.Cu w0.25: U12.3 36.83,15.24 24.77,15.24 23.5,16.51 23.5,27.94 19.78,31.66 12.61,31.66 J2.22
/FDC_WG: length 58.4
  Bottom w0.25: J2.24 12.7,31.75 12.7,14.85 13.67,13.88 14.7,13.88 15.24,13.34 15.24,8.25 15.88,7.62 17.49,7.62 18.41,6.7 18.41,3.81 20.32,1.91 27.31,1.91 29.79,4.39 31.06,4.39 31.58,4.91 31.58,9.06 30.48,10.16 U12.49
/FDC_WPRT: length 53.2
  Top w0.25: RN1.9 18.71,28.87 22.69,28.87 23.62,27.94 28.96,27.94 29.52,27.38 29.52,26.47 30.3,25.68 40.86,25.68 41.66,24.89 41.66,23.62 42.42,22.86 44.45,22.86 U12.12
  Bottom w0.25: RN1.9 17.97,28.13 17.97,36.65 15.24,39.37 12.7,39.37 J2.28
/FDCON_CS: length 43.1
  Top w0.25: v1(73.15,31.5) 68.83,31.5 68.58,31.75 60.96,31.75 58.54,29.33 54.11,29.33 51.44,26.66 49.52,26.66 46.96,29.21 U12.18
  Bottom w0.25: U2.44 74.93,40 74.3,39.37 74.3,34.8 73.15,33.66 v1(73.15,31.5)
/IPL0: length 86.1
  Top w0.25: v2(44.74,50.29) 43.98,49.53 20.07,49.53 19.05,48.51 19.05,41.91 U1.27
  In1.Cu w0.25: J1.b27 80.01,74.93 80.01,70.49 79.38,69.85 78.23,69.85 73.66,65.28 73.66,62.87 73.03,62.23 60.13,62.23 52.57,54.67 49.12,54.67 v2(44.74,50.29)
/IPL1: length 157.3
  Top w0.25: U1.26 16.51,44.45 9.53,44.45 8.25,45.72 v1(7.62,45.72) ; v1(79.81,96.27) 79.81,92.25 77.47,89.92 77.47,82.55 J1.b29
  Bottom w0.25: v1(79.81,96.27) 77.2,98.88 14.04,98.88 10.67,95.5 10.67,86.11 13.21,83.57 13.21,66.8 15.24,64.77 15.24,50.8 14.48,50.04 9.14,50.04 7.62,48.51 v1(7.62,45.72)
/LDS: length 27.7
  Top w0.25: U2.12 48.26,62.23 24.13,62.23 U1.8
/MA0: length 20.3
  Top w0.25: U9.11 U8.11 U11.11 U10.11
  Bottom w0.25: U9.11 U2.67
/MA1: length 25.9
  Top w0.25: U9.12 U8.12 U11.12 U10.12
  Bottom w0.25: U9.12 66.16,66.04 66.16,64.65 U2.66
/MA2: length 20.3
  Top w0.25: U10.13 U11.13 U8.13 U9.13
  Bottom w0.25: U9.13 U2.65
/MA3: length 25.9
  Top w0.25: U9.14 U8.14 U11.14 U10.14
  Bottom w0.25: U9.14 68.58,64.77 U2.64
/MA4: length 23.4
  Top w0.25: U10.16 U11.16 U8.16 U9.16
  Bottom w0.25: U2.63 69.85,68.58 71.12,69.85 U9.16
/MA5: length 47.8
  Top w0.25: U10.17 U11.17 U8.17 U9.17
  Bottom w0.25: U2.41 69.85,41.28 68.58,42.55 68.58,60.33 71.12,62.87 71.12,68.58 72.39,69.85 U9.17
/MA6: length 23.4
  Top w0.25: U9.18 U8.18 U11.18 U10.18
  Bottom w0.25: U2.61 72.39,68.58 73.66,69.85 U9.18
/MA7: length 24
  Top w0.25: U9.19 U8.19 U11.19 U10.19
  Bottom w0.25: U2.62 73.66,64.77 73.66,68.58 74.99,69.79 74.93,69.85 U9.19
/MA8: length 49.1
  Top w0.25: U10.20 U11.20 U8.20 U9.20
  Bottom w0.25: U2.42 69.85,60.33 71.75,62.23 73.03,62.23 73.66,62.87 73.66,63.7 74.55,64.58 74.55,68.2 76.2,69.85 U9.20
/MA9: length 25.9
  Top w0.25: U10.10 U11.10 U8.10 U9.10
  Bottom w0.25: U2.68 63.63,64.64 63.63,66.04 U9.10
/MOTOR_ON: length 34.4
  Top w0.25: U12.5 U12.6 38.1,19.05 U12.45 26.87,19.05 25.74,20.18 15.78,20.18 14.46,21.5 12.79,21.5 J2.16
/RAS: length 23.9
  Top w0.25: U10.9 U11.9 U8.9 U9.9
  Bottom w0.25: U2.2 60.96,64.77 60.96,67.31 62.23,68.58 U9.9
/RDH: length 68.4
  Top w0.25: v1(31.75,92.08) 40.64,92.08 41.91,93.34 45.21,93.34 47.88,90.68 50.67,90.68 52.07,92.08 55.88,92.08 v1(57.15,93.34)
  Bottom w0.25: U2.5 57.15,69.22 58.42,70.49 58.42,71.44 57.29,72.57 57.29,74.44 58.42,75.57 58.42,76.84 57.29,77.96 57.29,79.52 58.42,80.65 58.42,81.92 57.15,83.19 57.15,84.14 58.1,85.09 60.32,85.09 60.96,85.73 60.96,87.31 59.69,88.58 59.69,90.81 v1(57.15,93.34) ; U5.21 33.02,90.81 v1(31.75,92.08)
/RDL: length 25.3
  Top w0.25: U4.19 33.66,71.76 33.66,68.58 34.29,67.95 43.18,67.95 45.09,66.04 U2.9
/RDW: length 68.2
  Top w0.25: U12.16 48.26,24.13 55.88,24.13 60.96,19.05 67.31,19.05 U7.3 72.39,17.78 v1(73.66,19.05)
  Bottom w0.25: U7.3 69.85,19.05 69.85,20.64 68.9,21.59 67.6,21.59 67.31,21.88 67.31,30.48 67.94,31.12 67.94,40.01 U2.39 ; J1.b7 77.32,23.99 77.32,19.54 76.84,19.05 v1(73.66,19.05)
/RESET: length 83.2
  Top w0.25: U1.20 U1.19 ; U2.17 v2(64.77,55.88) ; v2(69.85,38.74) 74.94,38.74 75.56,38.11 78.74,38.11
  In1.Cu w0.25: v1(38.1,58.42) 25.4,58.42 U1.19
  Bottom w0.25: v2(69.85,38.74) 69.22,38.74 68.58,39.37 68.58,41.28 67.94,41.91 66.68,41.91 66.04,42.55 66.04,54.61 v2(64.77,55.88) ; v1(38.1,58.42) 38.1,55.88 39.37,54.61 50.8,54.61 U2.17
/RW: length 119.9
  Top w0.25: v1(50.8,67.95) 52.07,69.22 57.78,69.22 58.42,69.85 58.42,71.76 59.06,72.39 59.69,72.39 U9.8 U8.8 U11.8 U10.8
  In1.Cu w0.25: U10.8 58.42,91.44 58.42,94.62 54.7,98.33 39.28,98.33 U5.3 ; U2.14 48.26,58.42 46.99,59.69 24.13,59.69 21.59,62.23 21.59,64.77 U1.9
  Bottom w0.25: U4.1 36.83,82.55 36.83,90.81 35.56,92.08 U5.3 ; v1(50.8,67.95) 50.8,59.69 U2.14
/UDS: length 29.9
  In1.Cu w0.25: U2.10 47.62,63.5 46.35,62.23 24.77,62.23 24.13,62.87 24.13,64.77 U1.7
/VPA: length 81.9
  Top w0.25: v1(77.22,36.83) 77.21,36.84 69.21,36.84 67.31,38.74 46.35,38.74 43.67,36.05 41.03,36.05 36.83,40.25 36.83,44.45 33.02,48.26 U1.23
  Bottom w0.25: v1(77.22,36.83) 79.03,36.83 80.01,37.81 80.01,41.28 79.38,41.91 78.45,41.91 77.64,42.72 77.64,47.16 J1.b16
/VSYNC: length 62.8
  Top w0.25: v2(41.19,36.92) 41.6,36.5 43.35,36.5 46.04,39.19 57.16,39.19 58.42,40.44 58.42,43.82 59.06,44.45 77.47,44.45 J1.b15 ; U12.35 27.94,32.78 26.9,33.81 26.9,35.79 27.94,36.83 30.39,36.83 v2(36.22,36.92)
  In1.Cu w0.25: v2(36.22,36.92) v2(41.19,36.92) 41.28,36.83
/WRH: length 47.1
  Top w0.25: U5.2 U5.1
  In1.Cu w0.25: U5.1 40.64,93.34 50.66,83.33 50.66,79.72 47.62,76.69 47.62,66.04 48.9,64.77 55.88,64.77 U2.6
Net-(C3-Pad2): length 32.9
  Top w0.25: C3.2 31.1,0.64 22.1,0.64 20.19,2.54 ; R4.2 22.66,9.09 22.66,5.01 20.19,2.54 ; 20.19,2.54 C5.1
  Bottom w0.25: C3.2 C4.2
Net-(D1-A): length 159.8
  Top w0.25: D2.2 D1.2 v1(50.8,93.22) ; v1(46.48,63.75) 47.5,64.77 52.27,64.77 53.34,65.84 53.34,66.24 54.41,67.31 82.8,67.31 85.98,64.14 85.98,2.41 85.34,1.78 79.12,1.78 77.09,3.81 71.42,3.81 v2(70.57,4.67)
  In2.Cu w0.25: U7.8 70.15,5.08 v2(70.57,4.67)
  Bottom w0.25: v1(50.8,93.22) 50.8,80.52 47.75,77.47 47.75,64.9 46.61,63.75 v1(46.48,63.75)
Net-(D2-K): length 20.8
  Top w0.25: J3.1 59.69,97.16 D2.1
Net-(D3-A): length 5.1
  Top w0.25: R2.1 D3.2 R1.2
Net-(Q1-B): length 7.9
  Top w0.25: R2.2 72.84,94.16 Q1.2
Net-(Q1-C): length 122.8
  Top w0.25: v1(84.46,8.89) 81.77,6.21 75.07,6.21 v1(73.66,7.62)
  Bottom w0.25: v1(73.66,7.62) 73.66,9.53 69.85,13.34 69.85,15.88 71.12,17.15 71.12,20.32 U7.1 ; v1(84.46,8.89) 84.46,15.88 85.72,17.15 85.72,52.07 83.19,54.61 83.19,89.54 80.65,92.08 80.65,93.98 79.19,95.43 Q1.3
Net-(U7-XTAL_IN): length 8.6
  Top w0.25: Y3.2 76.16,25.4
  Bottom w0.25: Y3.2 74.29,24.59 74.29,24.58 ; U7.15 74.29,22.23 74.29,23.5 74.29,23.5 74.29,24.58 ; 74.29,24.58 74.29,25.4
Net-(U7-XTAL_OUT): length 15
  Top w0.25: Y3.1 68.6,25.4
  Bottom w0.25: U7.14 73.03,17.78 72.39,18.42 72.39,20.96 73.03,21.59 73.03,24.13 Y3.1
Net-(U12-FE25): length 38.3
  Top w0.25: C4.1 v1(39.24,6.99) ; U12.42 26.54,20.45 28.57,20.45 29.84,21.72 v1(39.24,21.72)
  Bottom w0.25: v1(39.24,6.99) v1(39.24,21.72)
Net-(U12-FE50): length 41
  Top w0.25: v1(40.64,24.13) U12.41
  Bottom w0.25: v1(40.64,24.13) 41.91,22.86 46.35,22.86 46.99,22.23 46.99,15.88 45.67,14.55 45.67,4.88 C3.1
Net-(U12-FILT): length 44.5
  Bottom w0.25: R4.1 21.59,12.06 22.86,10.8 22.86,8.89 21.59,7.62 C6.1 20.38,3.75 21.59,2.54 25.4,2.54 26.67,3.81 26.67,22.86 U12.40
Net-(U12-OSC1): length 5.5
  Top w0.25: U12.38 21.39,26.67 Y2.2
Net-(U12-OSC2/CLK): length 9.2
  Top w0.25: U12.39 26.67,25.4 22.86,25.4 Y2.1

## Copper pours and planes (outline as drawn; the poured copper is in the pictures)
GND on In2.Cu: 0,99.06 86.61,99.06 86.61,0 0,0

## Text on the board
Bottom: + | Hi Dawn! | MIRACLE      SYSTEMS | GoldCard 3
B.Mask: + | MIRACLE      SYSTEMS | GoldCard 3
B.Silkscreen: PCB by A.Alea 2024 / Licensed under Cern OHL-S / https://ohwr.org/cern_ohl_s_v2.txt
User.Drawings: Limit for card without conector inside QL case | Limit for card with conector inside QL case
F.Silkscreen: JLCJLCJLCJLC
